# Altium PCB LimeSDR-QPCIe_1v2.PcbDoc (part 11 of 21) (continued)
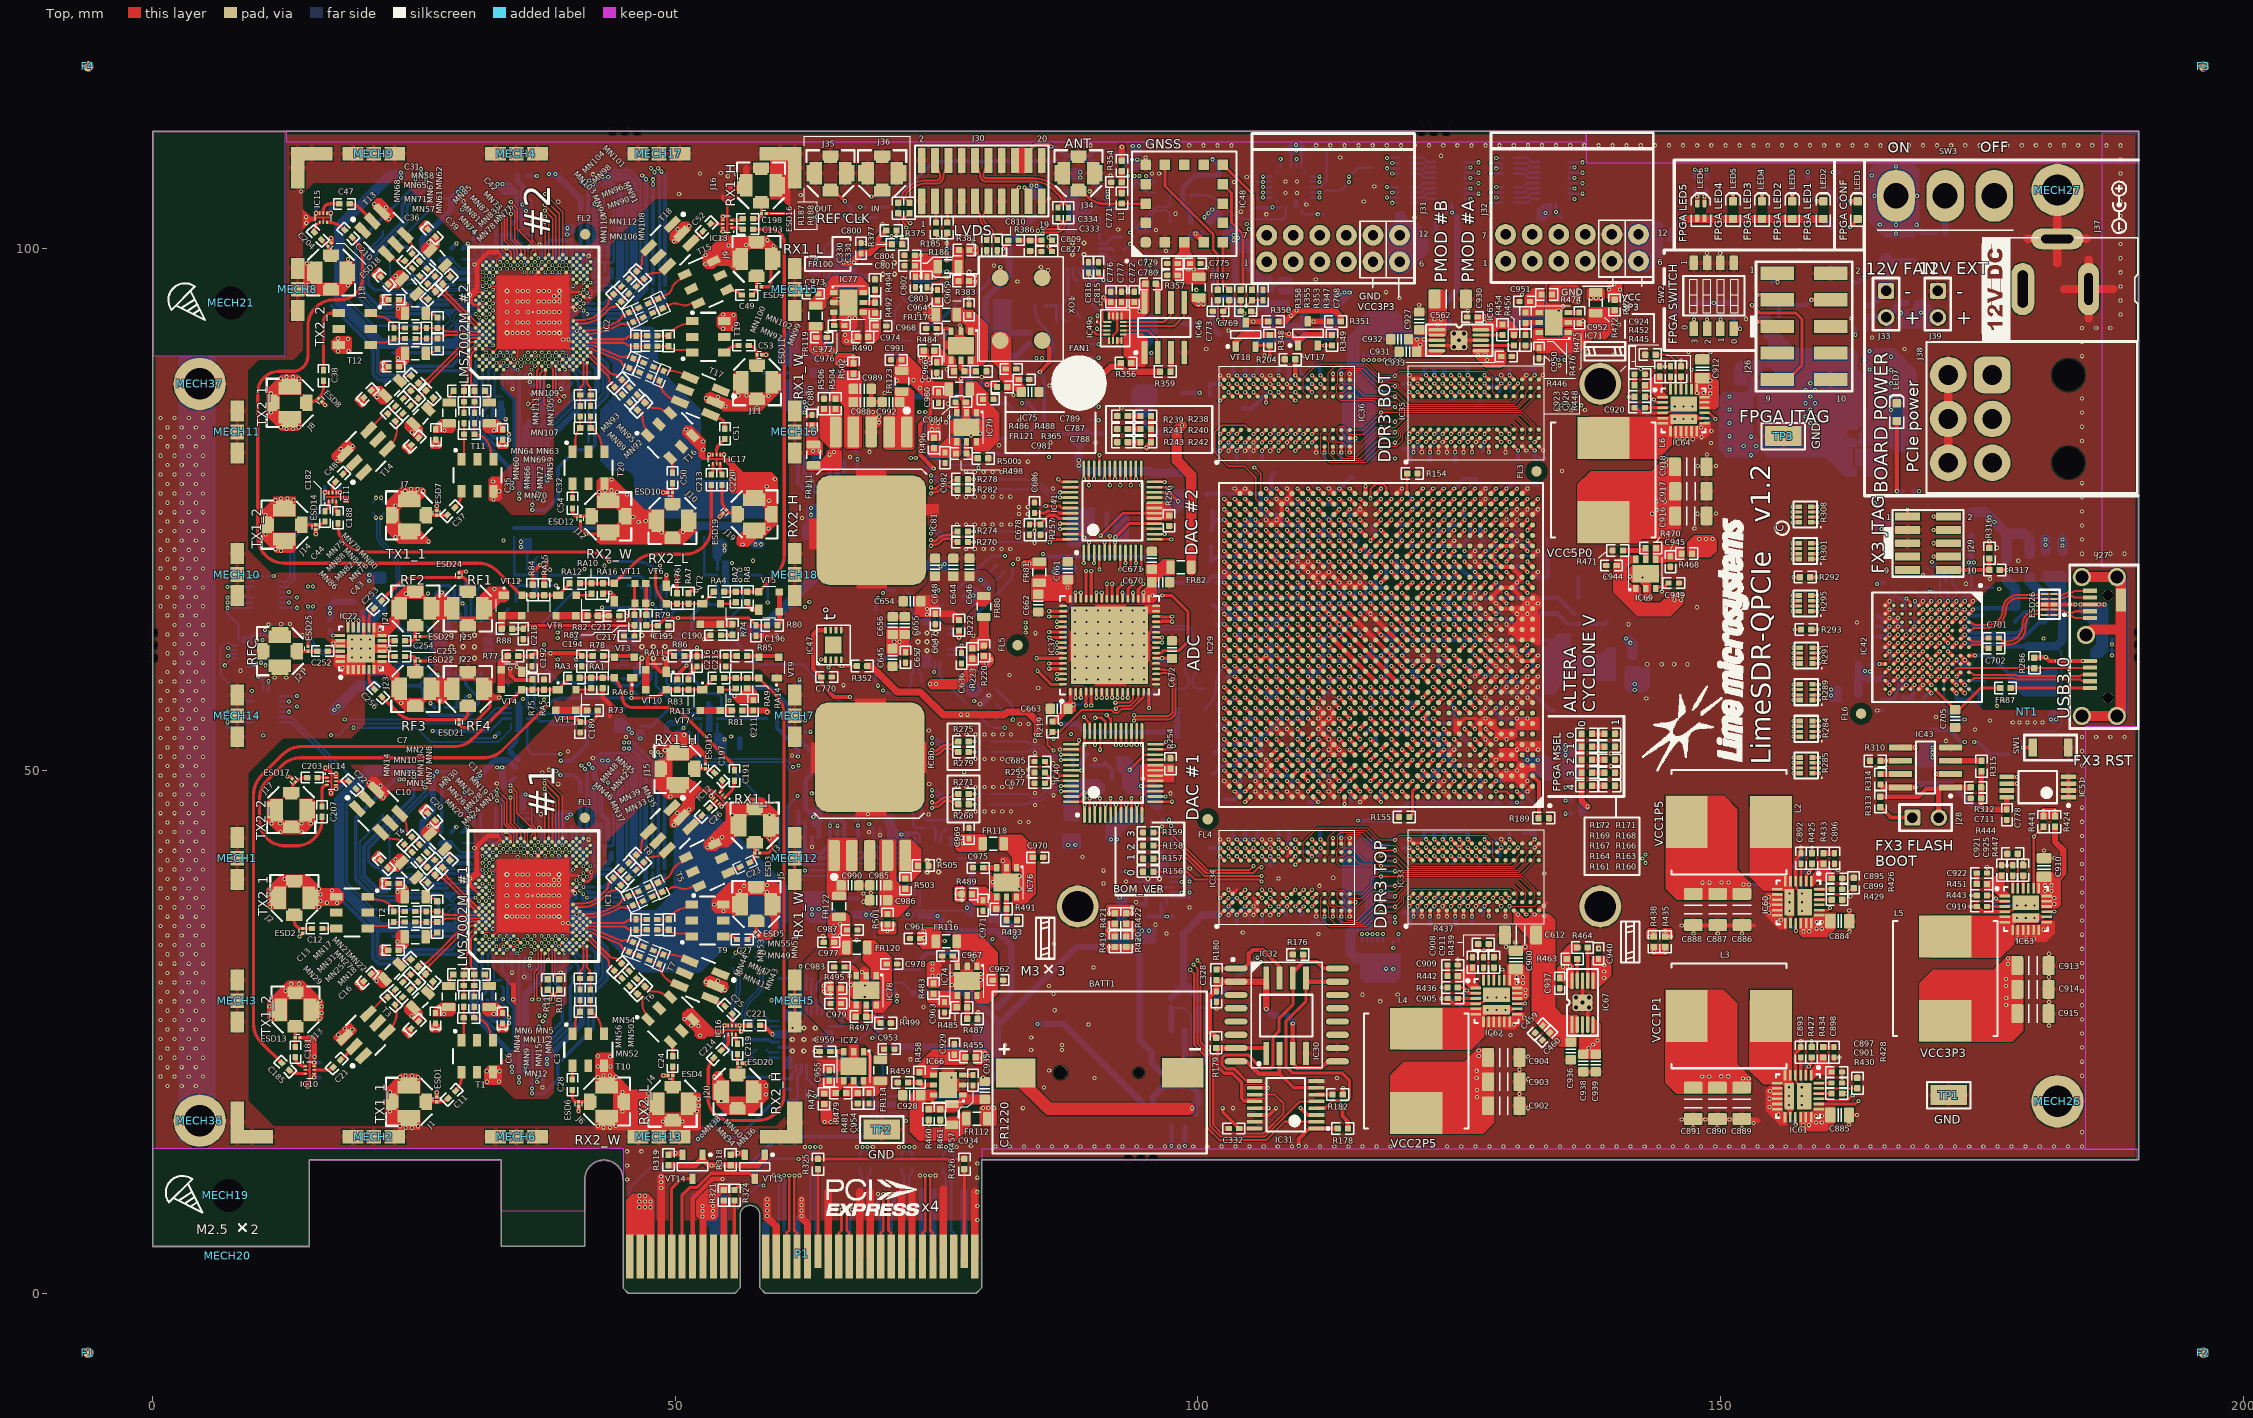
[diagram p0: Top view]
## Nets (pads, with @x,y where several pads share a name; then routed paths per layer and width w, separated by ;. In a path a pad name is that pad's centre, name@x,y a point inside that pad or via, vN(x,y) a via of type N, cw(c..) or ccw(c..) an arc to the next point about the centre after c; other vN are vias at no path point) (continued)
  Top w0.309: v1(102.125,43.4) IC34.A9@102.525,43 ; v1(102.125,87.8) IC36.A9@102.525,87.4 ; v1(102.925,36.2) IC34.B1@103.325,36.6 ; v1(102.925,38.6) IC34.B3@103.325,38.2 103.725,38.6 ; v1(102.925,43.4) IC34.B9@103.325,43 ; v1(102.925,80.6) IC36.B1@103.325,81 ; v1(102.925,82.2) IC36.B3@103.325,82.6 ; v1(102.925,87.8) IC36.B9@103.325,87.4 ; v1(104.525,36.2) IC34.D1@104.925,36.6 ; v1(104.525,42.6) IC34.D8@104.925,42.2 v1(105.325,42.6) IC34.E8@105.725,42.2 ; v1(104.525,80.6) IC36.D1@104.925,81 ; v1(104.525,87) IC36.D8@104.925,86.6 ; v1(105.325,36.2) IC34.E1@105.725,36.6 v1(105.325,37) IC34.E2@105.725,37.4 105.325,37.8 ; v1(105.325,80.6) IC36.E1@105.725,81 ; v1(105.325,81.4) IC36.E2@105.725,81.8 ; v1(105.325,87) IC36.E8@105.725,86.6 ; v1(106.125,43.4) IC34.F9@106.525,43 ; v1(106.125,87.8) IC36.F9@106.525,87.4 ; v1(106.925,36.2) IC34.G1@107.325,36.6 ; v1(106.925,42.6) IC34.G8@107.325,42.2 ; v1(106.925,43.4) IC34.G9@107.325,43 ; v1(106.925,80.6) IC36.G1@107.325,81 ; v1(106.925,87) IC36.G8@107.325,86.6 ; v1(106.925,87.8) IC36.G9@107.325,87.4 ; v1(108.525,37) IC34.J2@108.925,37.4 ; 108.525,41.8 IC34.J8@108.925,42.2 v1(108.525,42.6) ; v1(108.525,81.4) IC36.J2@108.925,81.8 ; v1(108.525,87) IC36.J8@108.925,86.6 ; v1(110.925,43.4) IC34.M9@111.325,43 ; v1(110.925,87.8) IC36.M9@111.325,87.4 ; v1(111.325,36.034) IC34.M1@111.325,36.6 ; v1(111.325,80.434) IC36.M1@111.325,81 ; v1(112.925,36.034) IC34.P1@112.925,36.6 ; IC34.P9@112.925,43 v1(112.925,43.566) ; v1(112.925,80.434) IC36.P1@112.925,81 ; IC36.P9@112.925,87.4 v1(112.925,87.966) ; v1(114.525,36.034) IC34.T1@114.525,36.6 ; IC34.T9@114.525,43 v1(114.525,43.566) ; v1(114.525,80.434) IC36.T1@114.525,81 ; IC36.T9@114.525,87.4 v1(114.525,87.966) ; v1(120.225,43.425) IC33.A9@120.625,43.025 120.625,43.079 121.371,43.079 IC33.B9@121.425,43.025 ; v1(120.225,87.825) IC35.A9@120.625,87.425 ; v1(121.025,37.825) IC33.B3@121.425,38.225 ; v1(121.025,82.225) IC35.B3@121.425,82.625 ; v1(121.425,36.059) IC33.B1@121.425,36.625 ; v1(121.425,80.459) IC35.B1@121.425,81.025 ; v1(122.625,42.625) IC33.D8@123.025,42.225 v1(123.425,42.625) IC33.E8@123.825,42.225 ; v1(122.625,87.025) IC35.D8@123.025,86.625 ; v1(123.025,36.059) IC33.D1@123.025,36.625 ; v1(123.025,80.459) IC35.D1@123.025,81.025 ; v1(123.425,37.025) IC33.E2@123.825,37.425 ; v1(123.425,81.425) IC35.E2@123.825,81.825 ; v1(123.425,87.025) IC35.E8@123.825,86.625 ; v1(123.825,36.059) IC33.E1@123.825,36.625 ; v1(123.825,80.459) IC35.E1@123.825,81.025 ; C905.2@123.875,28.2 123.994,28.2 124.499,27.695 IC62.4@126.95,27.695 ; v1(124.225,43.425) IC33.F9@124.625,43.025 v1(125.025,42.625) ; v1(124.225,87.825) IC35.F9@124.625,87.425 ; v1(125.025,43.425) IC33.G9@125.425,43.025 v1(125.025,42.625) ; v1(125.025,87.025) IC35.G8@125.425,86.625 ; v1(125.025,87.825) IC35.G9@125.425,87.425 ; v1(125.425,36.059) IC33.G1@125.425,36.625 ; IC33.G8@125.425,42.225 v1(125.025,42.625) ; v1(125.425,80.459) IC35.G1@125.425,81.025 ; v1(126.625,37.025) IC33.J2@127.025,37.425 ; v1(126.625,42.625) IC33.J8@127.025,42.225 ; v1(126.625,81.425) IC35.J2@127.025,81.825 ; v1(126.625,87.025) IC35.J8@127.025,86.625 ; v1(129.025,43.425) IC33.M9@129.425,43.025 ; v1(129.025,87.825) IC35.M9@129.425,87.425 ; v1(129.425,36.059) IC33.M1@129.425,36.625 ; v1(129.425,80.459) IC35.M1@129.425,81.025 ; IC33.P1@131.025,36.625 v1(131.425,36.225) ; IC35.P1@131.025,81.025 v1(131.425,80.625) ; IC35.P9@131.025,87.425 v1(131.425,87.825) ; v1(132.225,42.625) IC33.T9@132.625,43.025 ; IC33.T1@132.625,36.625 133.362,37.363 ; IC35.T1@132.625,81.025 v1(133.025,80.625) ; IC35.T9@132.625,87.425 v1(133.025,87.825) ; C920.2@141.775,84.725 141.894,84.725 142.399,84.221 IC64.4@144.85,84.22 ; IC61.4@157.171,20.475 157.171,22.926 157.675,23.431 C893.2@157.675,23.55 ; IC60.4@157.195,39.025 157.195,41.476 157.7,41.981 C892.2@157.7,42.1 v1(157.7,42.65) ; C919.2@174.513,37 174.632,37 175.136,36.495 IC63.4@177.588,36.495 ; v1(181.425,25.6) v1(181.425,27.875) ; v1(181.425,32.475) v1(181.425,27.875) ; v1@181.45,27.85 v1(181.425,27.875)
  Top w0.35: v1(17.692,79.618) T14.3@18.405,80.325 ; v1(17.997,80.754) 18.404,80.347 v1(19.117,81.054) ; T3.3@18.377,24.51 v1(19.09,25.217) ; v1(20.668,48.857) T4.3@21.375,48.144 ; v1(21.194,104.194) T13.3@21.901,103.481 ; T4.3@21.38,48.139 T4.3@21.386,48.145 ; v1(21.793,48.552) T4.3@21.386,48.145 ; T13.3@21.907,103.476 T13.3@21.912,103.482 ; v1(22.093,47.432) T4.3@21.386,48.145 ; v1(22.319,103.889) T13.3@21.912,103.482 ; v1(22.619,102.769) T13.3@21.912,103.482 ; 30.462,95.204 30.575,95.317 31.058,95.8 ; 30.699,38.73 30.312,39.117 30.312,39.716 30.912,40.316 31.005,40.316 ; 30.725,94.567 30.338,94.954 30.338,95.553 30.938,96.153 31.032,96.153 ; IC1.C23@31.536,39.831 IC1.C23@31.551,39.846 ; IC2.C23@31.563,95.668 IC2.C23@31.578,95.683 ; 39.226,35.184 38.372,36.038 38.227,36.183 36.365,38.045 36.834,38.514 38.283,39.963 39.543,41.223 ; 39.253,91.021 38.399,91.875 38.254,92.02 36.392,93.882 36.861,94.351 38.31,95.8 39.57,97.06 ; v1(50.19,45.958) T8.2@50.406,45.742 ; v1(50.216,101.796) T18.2@50.432,101.58 ; T7.2@53.836,29.395 v1(54.07,29.893) ; T17.2@53.862,85.232 v1(54.097,85.73) ; T7.2@54.272,29.227 v1(54.77,28.993) ; T17.2@54.299,85.065 v1(54.797,84.83)
  Top w0.4: J18.2@18.675,97.725 v1(18.675,98.925) ; RA15.1@37.455,67.788 37.455,69.362 37.675,69.582 v1(37.675,70.1) ; RA6.1@43.057,57.875 43.057,57.043 43.75,56.35 43.75,55.175 ; RA16.1@43.075,66.925 43.2,67.05 v1(43.8,67.05) 44.175,66.675 VT11.1@44.175,66.2 ; v1(45.825,57.45) VT3.1@45.825,58.818 ; v4(47.9,60.75) 47.9,60.2 48.65,59.45 VT10.1@49.137,59.45 49.137,60.613 v4(49,60.75) ; VT6.1@49.143,67.7 49.143,68.693 v1(49.15,68.7) ; v1(49.858,44.806) T8.2@50.423,45.371 ; v1(49.884,100.643) T18.2@50.45,101.208 ; T8.2@50.742,45.702 v1(51.308,46.268) ; T18.2@50.769,101.539 v1(51.334,102.105) ; RA7.1@51.268,66.975 51.518,67.225 v1(52.025,67.225) ; RA13.1@51.275,58.725 51.275,59.15 C216.2@52.075,59.95 ; v1(52.775,62.575) 53.15,62.95 C190.2@53.38,62.95 ; v1(52.92,29.793) 52.995,29.718 53.513,29.718 T7.2@53.836,29.395 ; v1(52.947,85.63) 53.022,85.555 53.54,85.555 T17.2@53.862,85.232 ; v1(55.675,57.125) 56.145,57.125 RA14.1@56.882,57.863 57.45,57.295 C211.2@57.45,56.75 ; RA8.1@56.887,66.113 56.887,65.863 v1(57.362,65.388) VT5.1@57.988,65.388 ; C196.2@57.725,62.9 v1(59.7,62.9) ; C221.1@58.1,25.625 58.45,25.625 v1(59.3,24.775) ; C990.1@67.564,39.01 C985.1@68.614,39.01 ; C989.1@68.745,86.525 68.745,85.274 68.754,85.265 C992.1@69.786,85.265 ; C656.1@70.8,64.725 C655.1@71.95,64.725 ; v1(77.325,87.5) 77.325,85.67 77.875,85.12 IC79.2@77.875,84.25 ; IC48.5@95,107.95 v1(95,108.65) ; v1(102.525,49) IC29.B30@103.025,48.5 ; v1(102.525,69) IC29.AB30@103.025,68.5 ; v1(103.525,52) IC29.E29@104.025,51.5 ; v1(103.525,62) IC29.R29@104.025,61.5 ; v1(103.525,72) IC29.AE29@104.025,71.5 ; v1(103.525,77) IC29.AK29@104.025,76.5 v1(104.525,77) IC29.AK28@105.025,76.5 ; v1(104.525,55) IC29.H28@105.025,54.5 ; v1(104.525,65) IC29.V28@105.025,64.5 ; v1(104.525,75) IC29.AH28@105.025,74.5 ; v1(105.525,48) IC29.A27@106.025,47.5 ; v1(105.525,49) IC29.B27@106.025,48.5 ; v1(105.525,58) IC29.L27@106.025,57.5 ; v1(105.525,61) IC29.P27@106.025,60.5 v1(106.525,61) IC29.P26@107.025,60.5 ; v1(105.525,68) IC29.AA27@106.025,67.5 ; v1(106.525,48) IC29.A26@107.025,47.5 ; v1(106.525,51) IC29.D26@107.025,50.5 v1(106.525,50) IC29.C26@107.025,49.5 ; v1(106.525,59) IC29.M26@107.025,58.5 ; v1(106.525,71) IC29.AD26@107.025,70.5 IC29.AC25@108.025,69.5 ; v1(106.525,74) IC29.AG26@107.025,73.5 ; IC29.AG26@107.05,73.475 v1@107.55,73.975 ; v1(107.525,54) IC29.G25@108.025,53.5 ; v1(107.525,64) IC29.U25@108.025,63.5 ; v1(107.525,76) IC29.AJ25@108.025,75.5 ; IC29.AG25@108.025,73.5 v1(107.525,74) IC29.AH25@108.025,74.5 IC29.AJ25@108.025,75.5 ; v1(108.525,48) IC29.A24@109.025,47.5 ; v1(108.525,54) IC29.G24@109.025,53.5 ; v1(108.525,57) IC29.K24@109.025,56.5 ; v1(108.525,67) IC29.Y24@109.025,66.5 ; v1(108.525,77) IC29.AK24@109.025,76.5 v1(108.525,76) ; IC29.AJ24@109.025,75.5 v1(108.525,76) ; v1(109.525,48) IC29.A23@110.025,47.5 ; v1(109.525,52) IC29.E23@110.025,51.5 ; v1(109.525,60) IC29.N23@110.025,59.5 ; v1(109.525,65) IC29.V23@110.025,64.5 ; v1(109.525,70) IC29.AC23@110.025,69.5 ; v1(109.525,73) IC29.AF23@110.025,72.5 ; v1(110.525,49) IC29.C23@110.025,49.5 v1(110.525,50) IC29.C22@111.025,49.5 ; v1(110.525,52) IC29.F22@111.025,52.5 ; v1(110.525,63) IC29.T22@111.025,62.5 ; v1(110.525,73) IC29.AF22@111.025,72.5 ; v1(110.525,76) IC29.AJ22@111.025,75.5 ; IC29.AC22@111.025,69.5 v1(110.525,70) IC29.AC23@110.025,69.5 ; v1(111.525,56) IC29.J21@112.025,55.5 v1(111.525,55) IC29.H21@112.025,54.5 ; v1(111.525,66) v1(112.525,65) ; v1(111.525,76) IC29.AJ21@112.025,75.5 ; IC29.AA21@112.025,67.5 v1(111.525,68) IC29.AB22@111.025,68.5 ; v1(112.525,48) IC29.A20@113.025,47.5 ; v1(112.525,49) IC29.B20@113.025,48.5 ; v1(112.525,56) IC29.J20@113.025,55.5 v1(112.525,55) ; v1(112.525,59) IC29.M20@113.025,58.5 ; v1(112.525,63) IC29.M16@117.025,58.5 ; v1(112.525,77) IC29.AK20@113.025,76.5 ; IC29.E20@113.025,51.5 v1(112.525,52) IC29.F20@113.025,52.5 ; IC29.H20@113.025,54.5 v1(112.525,55) ; IC29.V20@113.025,64.5 v1(112.525,65) ; v1(113.525,58) IC29.L19@114.025,57.5 ; v1(113.525,60) IC29.N19@114.025,59.5 ; v1(113.525,72) IC29.AE19@114.025,71.5 ; v1@113.575,65.95 116.575,62.95 ; IC29.E19@114.025,51.5 IC29.F20@113.025,52.5 ; v1(114.525,54) IC29.H18@115.025,54.5 ; v1(114.525,59) IC29.M18@115.025,58.5 ; 114.525,61 IC29.P18@115.025,60.5 ; IC29.AH18@115.025,74.5 v1(115.525,75) ; v1(115.525,47) IC29.A17@116.025,47.5 ; v1(115.525,58) IC29.L17@116.025,57.5 ; 115.525,75.222 v1(115.525,75) ; IC29.W17@116.025,65.5 v1(115.525,66) v1(119.525,62) IC29.R13@120.025,61.5 IC29.T14@119.025,62.5 IC29.U15@118.025,63.5 v1(116.525,65) ; IC29.AA17@116.025,67.5 v1(115.525,68) IC29.AA18@115.025,67.5 v1(114.525,68) IC29.AA19@114.025,67.5 v1(113.525,68) IC29.AB20@113.025,68.5 v1(112.525,69) IC29.AB21@112.025,68.5 v1(111.525,69) IC29.AB22@111.025,68.5 ; IC29.AH17@116.025,74.5 v1(115.525,75) ; 116.525,63 IC29.T16@117.025,62.5 IC29.R15@118.025,61.5 v1(118.525,61) IC29.P14@119.025,60.5 IC29.N13@120.025,59.5 ; IC29.D16@117.025,50.5 v1(117.525,51) ; IC29.AD16@117.025,70.5 v1(117.525,71) ; v1(117.525,48) IC29.A15@118.025,47.5 ; v1(117.525,54) IC29.G15@118.025,53.5 ; v1(117.525,66) IC29.W15@118.025,65.5 IC29.T12@121.025,62.5 v1(120.525,63) ; IC29.AG15@118.025,73.5 v1(118.525,74) ; v1(118.525,57) IC29.K14@119.025,56.5 ; v1(118.525,65) IC29.V14@119.025,64.5 ; v1(118.525,67) IC29.Y14@119.025,66.5 ; IC29.M14@119.025,58.5 IC29.T18@115.025,62.5 IC29.U19@114.025,63.5 ; IC29.AK14@119.025,76.5 v1(119.525,77) ; v1(119.525,50) IC29.C13@120.025,49.5 ; v1(119.525,64) IC29.U13@120.025,63.5 ; v1(119.525,66) IC29.W13@120.025,65.5 ; v1(119.525,70) IC29.AC13@120.025,69.5 ; v1(120.525,53) IC29.F12@121.025,52.5 ; IC35.A9@120.625,87.425 120.725,87.525 IC35.B9@121.332,87.525 ; IC29.AF12@121.025,72.5 v1(121.525,73) ; v1(121.525,61) IC29.P11@122.025,60.5 ; v1(121.525,66) IC29.W11@122.025,65.5 ; IC29.H11@122.025,54.5 v1(121.525,55) IC29.J11@122.025,55.5 ; IC29.AJ11@122.025,75.5 v1(122.525,76) ; v1(122.525,59) IC29.M10@123.025,58.5 ; v1(122.525,69) IC29.AB10@123.025,68.5 ; IC29.B10@123.025,48.5 v1(123.525,49) ; v1(123.525,48) IC29.A9@124.025,47.5 ; v1(123.525,62) IC29.R9@124.025,61.5 ; IC29.E9@124.025,51.5 v1(124.525,52) ; IC29.K9@124.025,56.5 v1(124.525,57) ; IC29.AE9@124.025,71.5 v1(124.525,72) ; IC29.AJ9@124.025,75.5 v1(124.525,76) ; v1(124.525,60) IC29.N8@125.025,59.5 ; v1(124.525,65) IC29.V8@125.025,64.5 ; IC29.AH8@125.025,74.5 v1(125.525,75) ; IC29.Y7@126.025,66.5 v1(126.525,67) ; IC29.AD7@126.025,70.5 v1(126.525,71) ; v1(126.525,50) IC29.C6@127.025,49.5 ; v1(126.525,59) IC29.N6@127.025,59.5 ; v1(126.525,64) IC29.U6@127.025,63.5 ; v1(126.525,66) IC29.W6@127.025,65.5 ; v1(126.525,70) IC29.AC6@127.025,69.5 ; IC29.H6@127.025,54.5 IC29.G6@127.025,53.5 IC29.F5@128.025,52.5 ; IC29.J6@127.025,55.5 v1(127.525,56) ; IC29.L6@127.025,57.5 v1(127.525,58) ; IC29.R6@127.025,61.5 v1(127.525,61) IC29.P5@128.025,60.5 v1(128.525,60) IC29.N4@129.025,59.5 ; IC29.AA6@127.025,67.5 v1(127.525,68) ; IC29.AJ6@127.025,75.5 v1(127.525,76) ; IC29.AK6@127.025,76.5 v1(127.525,77) ; v1(127.525,55) IC29.H5@128.025,54.5 ; v1(127.525,57) IC29.K5@128.025,56.5 ; v1(127.525,63) IC29.T5@128.025,62.5 ; v1(127.525,65) IC29.V5@128.025,64.5 ; v1(127.525,69) IC29.AB5@128.025,68.5 ; IC29.D5@128.025,50.5 v1(128.525,51) ; IC29.E5@128.025,51.5 v1(128.525,51) ; IC29.M5@128.025,58.5 v1(128.525,59) ; IC29.AF5@128.025,72.5 v1(128.525,73) ; v1(128.525,50) IC29.C4@129.025,49.5 ; v1(128.525,53) IC29.G4@129.025,53.5 ; v1(128.525,62) IC29.R4@129.025,61.5 ; v1(128.525,64) IC29.U4@129.025,63.5 ; IC29.E4@129.025,51.5 v1(128.525,51) ; IC29.J4@129.025,55.5 v1(129.525,56) ; IC29.L4@129.025,57.5 v1(129.525,58) ; IC29.AG4@129.025,73.5 v1(129.525,74) ; v1(129.525,50) IC29.C3@130.025,49.5 ; v1(129.525,53) IC29.G3@130.025,53.5 ; v1(129.525,60) IC29.N3@130.025,59.5 ; v1(129.525,62) IC29.R3@130.025,61.5 v1(130.525,61) IC29.P2@131.025,60.5 IC29.P1@132.025,60.5 v1(132.525,61) ; v1(129.525,64) IC29.U3@130.025,63.5 ; IC29.E3@130.025,51.5 v1(130.525,52) IC29.F2@131.025,52.5 v1(131.525,52) ; IC29.J3@130.025,55.5 v1(130.525,56) ; IC29.L3@130.025,57.5 v1(130.525,58) ; IC29.W3@130.025,65.5 IC29.W4@129.025,65.5 v1(128.525,66) IC29.Y5@128.025,66.5 IC29.AA4@129.025,67.5 IC29.AA3@130.025,67.5 ; IC29.AG3@130.025,73.5 v1(130.525,74) ; IC29.AH3@130.025,74.5 v1(130.525,75) ; v1(130.525,50) IC29.C2@131.025,49.5 ; v1(130.525,55) IC29.H2@131.025,54.5 ; v1(130.525,57) IC29.K2@131.025,56.5 ; v1(130.525,65) IC29.V2@131.025,64.5 ; v1(130.525,72) IC29.AE3@130.025,71.5 IC29.AE4@129.025,71.5 v1(128.525,71) IC29.AD5@128.025,70.5 v1(128.525,70) IC29.AC4@129.025,69.5 IC29.AC3@130.025,69.5 IC29.AB2@131.025,68.5 v1(130.525,68) IC29.AA3@130.025,67.5 ; C902.1@130.775,17.8 C904.1@130.775,22.65 ; IC29.B2@131.025,48.5 v1(131.525,49) ; IC29.L2@131.025,57.5 v1(131.525,58) ; IC29.M2@131.025,58.5 v1(131.525,59) ; IC29.AH2@131.025,74.5 v1(131.525,75) ; IC29.AK2@131.025,76.5 v1(131.525,77) ; v1(131.525,48) IC29.B1@132.025,48.5 ; v1(131.525,55) IC29.H1@132.025,54.5 ; v1(131.525,57) IC29.K1@132.025,56.5 ; v1(131.525,65) IC29.V1@132.025,64.5 ; v1(131.525,66) IC29.Y2@131.025,66.5 IC29.AA3@130.025,67.5 ; IC29.F1@132.025,52.5 v1(132.525,52) ; IC29.L1@132.025,57.5 v1(132.525,58) ; IC29.M1@132.025,58.5 v1(132.525,59) ; IC29.Y1@132.025,66.5 v1(132.525,66) ; IC29.AB1@132.025,68.5 v1(132.525,69) ; IC29.AD1@132.025,70.5 v1(132.525,71) ; IC29.AH1@132.025,74.5 v1(132.525,75) ; C938.1@136.875,21.175 C939.1@138.075,21.175 ; v1(146.3,16.625) v1(148.55,16.625) v1(150.875,16.625) 153.475,16.625 153.625,16.475 ; v1(146.3,35.175) C888.1@147.425,35.175 ; C888.1@147.41,35.211 147.425,35.196 C888.1@147.425,35.175 ; v1(147.425,34.425) C888.1@147.425,35.175 ; v1@149.73,34.461 C887.1@149.73,35.211 ; v1@152.05,34.461 C886.1@152.05,35.211 ; 153.2,35.175 C888.1@147.425,35.175 ; R430.2@161.625,19.1 v1(162.05,19.1) ; v1(162.3,16.125) C885.1@162.3,17.05 v1(163.075,17.05) ; v1(162.325,36.6) 162.35,36.575 v1(162.35,34.625) ; IC42.L6@165.775,61.8 v1(166.175,62.2) ; IC42.L3@165.775,64.2 v1(166.175,64.6) ; IC42.L2@165.775,65 v1(166.175,65.4) ; IC42.L1@165.775,65.8 v1(166.175,66.2) ; IC42.K4@166.575,63.4 v1(166.975,63.8) ; IC42.K3@166.575,64.2 v1(166.975,64.6) ; IC42.G11@168.975,57.8 v1(169.375,58.2) ; IC42.G1@168.975,65.8 v1(169.375,66.2) ; IC42.E2@170.575,65 v1(170.975,65.4) ; IC42.D8@171.375,60.2 v1(171.775,60.6) ; v1(172.575,59) IC42.B9@172.975,59.4 ; IC42.B8@172.975,60.2 v1(173.375,60.6) ; IC42.B7@172.975,61 v1(173.375,60.6) ; IC42.A8@173.775,60.2 v1(173.375,60.6) ; IC42.A1@173.775,65.8 v1(174.175,66.2) ; v1(178.95,41.45) 178.95,40.962 R447.2@178.963,40.95 ; R286.1@179.95,60.85 v1(181.125,60.85) 181.475,60.5 J27.5@185.888,60.5 ; IC51.1@183.3,47.45 IC51.2@183.3,48.1 IC51.3@183.3,48.75 IC51.4@183.3,49.4 ; IC29.AJ25@108.025,75.5 v1(108.525,76) ; IC29.AC23@110.025,69.5 v1(110.525,69) IC29.AB22@111.025,68.5 ; IC29.H21@112.025,54.5 v1(111.525,54) IC29.G21@112.025,53.5 IC29.F20@113.025,52.5 ; IC29.H21@112.025,54.5 v1(112.525,55) ; v1(112.525,65) v1(113.525,64) ; v1(113.525,64) IC29.U19@114.025,63.5 ; v1(113.525,64) IC29.U19@114.025,63.5
  Top w0.43: P1.B7@51.65,3.5 51.65,9.036 53.539,10.925 v1(54.525,10.925)
  Top w0.45: 31.005,40.316 31.005,42.591 31.005,42.715 32.055,43.765 32.96,43.765 ; 31.032,96.153 31.032,98.428 31.032,98.552 32.082,99.602 32.987,99.602
  Top w0.6: 55.187,105.738 J16.2@56.505,105.738 ; J16.2@56.8,106.325 56.8,107.644
  Top w0.7: P1.B4@48.65,3.5 v1@48.65,11.125 ; v1(58.8,8.95) 58.8,7.225 59.65,6.375 P1.B13@59.65,3.5 ; v1(62.075,8.95) v1(62.075,8.425) v1(62.075,7.9) v1(62.075,7.375) 62.075,7.225 62.65,6.65 P1.B16@62.65,3.5 ; P1.B18@64.65,3.5 64.65,9.725 ; P1.B21@67.65,3.5 67.65,9.725 ; P1.B22@68.65,3.5 68.65,9.725 ; P1.B25@71.65,3.5 71.65,9.725 ; P1.B26@72.65,3.5 72.65,9.725 ; P1.B29@75.625,3.75 75.625,9.975 ; P1.B32@78.65,3.5 78.65,9.725
  Top w0.8: J38.6@171.8,79.45 J38.5@171.8,83.65 J38.4@171.8,87.85 ; 179.4,100.875 J37.3@182.225,100.875 ; 182.225,98.525 J37.3@182.225,100.875 ; MECH27.MH1@182.225,103.225 J37.3@182.225,100.875 ; 182.875,96.075 J37.2@185.225,96.075 ; 185.05,100.875 J37.3@182.225,100.875 ; 185.225,93.25 J37.2@185.225,96.075 ; 185.225,98.9 J37.2@185.225,96.075 ; 187.575,96.075 J37.2@185.225,96.075
  L2 w0.7: v1(177.975,54.6) v1(180.8,54.6)
  L12 w0.6: IC67.11@136.175,28.275 IC67.11@137.425,28.275
  Bottom w0.11: C59.2@37.578,42.538 37.548,42.538 37.548,42.98 37.835,43.267 C60.2@37.835,43.315 ; C118.2@37.605,98.375 37.575,98.375 37.575,98.817 37.862,99.104 C122.2@37.862,99.152 ; C113.2@37.97,32.35 C113.2@37.97,32.523 ; C113.2@38.015,32.523 38.208,32.716 ; 38.2,34.65 38.208,34.642
  Bottom w0.13: C67.2@26.181,35.951 26.463,35.668 27.526,35.668 29.698,37.84 C88.2@29.85,37.84 ; C128.2@26.207,91.788 26.49,91.505 27.552,91.505 29.724,93.677 C149.2@29.877,93.677
  Bottom w0.15: C65.2@35.455,44.62 35.35,44.62 34.93,45.04 34.93,45.784 35.112,45.965 36.225,45.965 36.23,45.97 36.243,45.97 36.987,45.226 v1(36.987,44.491) ; C124.2@35.482,100.457 35.311,100.457 34.913,100.855 34.913,101.614 35.101,101.802 36.252,101.802 36.257,101.807 36.27,101.807 37.013,101.063 v1(37.013,100.328) ; 36.062,30.066 C91.2@36.062,30.429
  Bottom w0.17: v1(21.163,41.551) 21.176,41.551 22.6,40.126 26.225,40.126 26.692,39.66 C111.2@28.733,39.66 ; v1(21.19,97.388) 21.202,97.388 22.627,95.963 26.252,95.963 26.718,95.497 C172.2@28.759,95.497
  Bottom w0.2: v3(32.217,40.512) 32.217,40.627 32.935,41.345 C89.2@33.005,41.345 ; v3(32.244,96.349) 32.244,96.464 32.962,97.182 C150.2@33.032,97.182 ; C93.2@33.05,37.235 33.7,37.235 v1(33.885,37.05) ; C155.2@33.077,93.072 33.727,93.072 v1(33.912,92.887) ; 38.46,35.22 C115.2@38.78,35.22 ; 38.487,91.057 C176.2@38.807,91.057 ; 38.78,35.54 C115.2@38.78,35.22 ; 38.807,91.377 C176.2@38.807,91.057 ; 39.1,35.22 C115.2@38.78,35.22 ; 39.127,91.057 C176.2@38.807,91.057
  Bottom w0.25: 18.588,95.117 21.158,92.547 26.145,92.547 26.207,92.484 C128.2@26.207,91.788 ; v1(20.668,48.857) 18.562,46.751 18.562,39.28 21.132,36.71 26.118,36.71 26.181,36.647 C67.2@26.181,35.951 ; 21.993,45.741 21.993,45.374 19.812,43.193 19.812,39.798 21.65,37.96 23.978,37.96 24.284,38.266 27.307,38.266 C68.2@27.432,38.141 ; 22.02,101.578 22.02,101.211 19.838,99.03 19.838,95.635 21.676,93.797 23.639,93.797 23.945,94.103 27.333,94.103 C129.2@27.458,93.978 ; 29.925,68.083 29.925,66.625 C284.2@29.95,66.6 ; 30.45,53.1 32.6,53.1 v1(32.75,53.25) ; C285.2@30.95,66.6 30.95,67.2 31.45,67.7 ; C75.2@31.956,28.097 32.083,28.097 32.083,27.886 32.297,27.672 32.747,27.672 32.941,27.866 33.387,27.866 ; C136.2@32,83.942 32,83.675 32.2,83.475 32.782,83.475 32.957,83.65 33.75,83.65 v1(33.775,83.625) ; C74.2@33.38,29.385 33.562,29.204 33.562,28.041 33.387,27.866 ; C4.1@33.9,27 33.9,27.353 33.387,27.866 ; IC25.5@36.582,69.493 36.582,70.182 C293.2@36.832,70.432 ; 42.161,50.94 44.087,49.014 44.087,42.901 C99.2@43.955,42.77 ; 42.187,106.777 44.113,104.851 44.113,98.738 C160.2@43.982,98.607 ; 48.125,68.083 48.125,66.625 C308.2@48.15,66.6 ; C309.2@49.15,66.6 49.15,67.2 R150.2@49.65,67.7 ; 62.525,30.508 62.525,29.05 C239.2@62.55,29.025 ; C240.2@63.55,29.025 63.55,29.625 R107.2@64.05,30.125 ; IC55.16@93.85,39.35 95.525,39.35 IC55.25@95.775,39.1 ; IC55.19@94.525,41.025 94.554,40.996 94.554,40.321 v4(95.225,39.65) ; IC55.22@96.025,41.025 96.025,39.35 IC55.25@95.775,39.1 ; IC55.25@96.239,38.464 97.025,37.677 IC55.7@97.025,37.175 ; v4(96.325,39.65) 96.95,40.275 97.7,40.275 IC55.1@97.7,40.35 ; IC55.4@97.7,38.85 96.025,38.85 IC55.25@95.775,39.1
  Bottom w0.254: C96.2@33.03,39.645 33.435,40.05 v4(33.885,40.05) ; C158.2@33.057,95.482 33.462,95.887 v4(33.912,95.887) ; IC52.32@72.175,100.45 v1(72.175,101.15) ; R440.1@126.7,28.3 v4(129.425,28.3) ; R450.1@144.6,84.825 v4(147.325,84.825) ; v4(157.775,18) R432.2@157.775,20.725 ; v4(157.8,36.55) R431.2@157.8,39.275 ; R449.1@177.338,37.1 v4(180.063,37.1)
  Bottom w0.29: 43.705,40.09 43.78,40.165 44.312,40.165 44.317,40.17 44.687,40.17 45.357,40.84 45.357,49.796 v1(45.162,49.991) ; 43.732,95.927 43.807,96.002 44.338,96.002 44.343,96.007 44.714,96.007 45.383,96.677 45.383,105.633 v1(45.188,105.828)
  Bottom w0.3: IC24.27@27.3,61.1 IC24.PAD@28.3,61.1 ; C1.2@27.487,43.991 27.658,44.162 27.658,49.108 v1@27.925,49.375 ; C282.1@27.5,57.125 C280.1@28.5,57.125 ; C287.1@29.95,57.125 29.95,56.175 R131.2@30.1,56.025 ; C108.2@32.073,33.042 31.525,32.494 31.525,31.645 31.498,31.618 31.498,29.099 31.056,28.656 31.056,26.94 32.734,25.261 v1(33.109,25.261) ; C168.2@32.1,88.879 31.552,88.331 31.552,87.482 31.525,87.455 31.525,84.936 31.082,84.493 31.082,82.777 32.761,81.098 v1(33.136,81.098) ; C63.2@32.53,43.595 32.702,43.595 32.922,43.815 ; C126.2@32.557,99.432 32.728,99.432 32.948,99.652 ; 32.825,46.451 C86.2@32.825,45.09 C87.2@32.825,44.315 32.825,43.911 32.922,43.815 ; 32.852,102.288 32.852,100.927 32.852,100.152 32.852,99.749 32.948,99.652 ; v4(33.885,36.05) 33.885,35.615 C114.2@34.13,35.37 ; v4(33.912,91.887) 33.912,91.452 C175.2@34.157,91.207 ; C85.2@34.268,43.39 33.735,43.39 33.6,43.525 33.6,43.644 33.429,43.815 32.922,43.815 ; C85.2@34.268,43.435 C84.2@34.268,44.147 ; C145.2@34.295,99.227 33.762,99.227 33.627,99.362 33.627,99.481 33.456,99.652 32.948,99.652 ; C145.2@34.295,99.272 C146.2@34.295,99.985 ; v1(35.885,40.05) 36.045,39.89 36.33,39.89 36.33,39.46 ; v1(35.912,95.887) 36.072,95.727 36.357,95.727 36.357,95.297 ; v1(36.885,40.05) 36.975,40.14 C82.2@36.975,41.34 ; v1(36.912,95.887) 37.002,95.977 C144.2@37.002,97.177 ; v1(37.287,19.691) 37.337,19.741 37.337,21.397 37.168,21.566 37.168,22.717 40.48,26.029 40.48,29.325 41.285,30.131 41.285,31.505 C104.2@41.105,31.685 ; v1@37.363,75.928 37.363,77.234 37.195,77.403 37.195,81.85 41.312,85.968 41.312,87.342 C165.2@41.132,87.522 ; C60.2@37.835,43.315 38.738,43.315 ; C122.2@37.862,99.152 38.765,99.152 ; v1(37.885,40.05) 38.075,40.24 C80.2@38.075,41.34 ; v1(37.912,95.887) 38.102,96.077 C141.2@38.102,97.177 ; C61.2@38.11,44.09 38.38,44.09 38.738,43.732 38.738,43.315 ; C121.2@38.137,99.927 38.407,99.927 38.765,99.569 38.765,99.152 ; 39.512,95.157 C170.2@40.107,95.157 ; C57.2@39.55,43.99 C56.2@39.55,43.183 v3(39.21,42.843) 38.738,43.315 ; C119.2@39.577,99.827 39.577,99.021 v3(39.237,98.68) 38.765,99.152 ; v1(40.405,38.265) 40.405,37.96 C70.2@40.55,37.815 ; v1(40.432,94.102) 40.432,93.797 C131.2@40.577,93.652 ; 41.674,25.597 41.674,28.829 43.062,30.216 43.062,32.834 42.155,33.74 C103.2@41.985,33.74 ; 41.701,81.434 41.701,84.666 43.088,86.053 43.088,88.671 42.182,89.577 C164.2@42.012,89.577 ; 42.178,50.958 42.365,51.145 42.365,51.239 42.746,51.619 45.577,51.619 46.662,50.535 46.662,40.421 45.137,38.896 45.137,38.87 ; 42.205,106.795 42.392,106.982 42.392,107.076 42.773,107.457 45.604,107.457 46.688,106.372 46.688,96.258 45.163,94.733 45.163,94.707 ; C77.2@42.785,42.665 42.89,42.77 C99.2@43.955,42.77 ; C138.2@42.812,98.502 42.917,98.607 C160.2@43.982,98.607 ; C98.2@43.235,41.89 43.235,42.63 ; C159.2@43.262,97.727 43.262,98.467 ; C102.2@44.655,38.87 45.137,38.87 ; C163.2@44.682,94.707 45.163,94.707 ; C110.2@45.443,38.458 45.137,38.765 45.137,38.87 ; C171.2@45.47,94.295 45.163,94.602 45.163,94.707 ; IC27.27@45.5,61.1 IC27.PAD@46.5,61.1 ; C307.1@48.15,57.125 48.15,56.175 R152.2@48.3,56.025 ; IC19.27@59.9,23.525 IC19.PAD@60.9,23.525 ; C234.1@60.1,19.55 C238.1@61.1,19.55 ; C235.1@62.55,19.55 62.55,18.6 R106.2@62.7,18.45 ; 107.992,75.533 110,75.533 C451.2@110,75.475 v1(110.525,76) ; 112.3,61.482 C440.2@113.075,61.482
  Bottom w0.35: v1@17.062,38.659 20.736,34.984 20.736,34.682 21.061,34.357 21.061,32.078 21.603,31.536 23.819,31.536 24.699,32.416 29.541,32.416 C109.2@29.545,32.42 ; 17.088,94.496 20.763,90.822 20.763,90.519 21.088,90.194 21.088,87.915 21.63,87.373 23.846,87.373 24.726,88.253 C169.2@29.568,88.253 C169.2@29.572,88.257 ; 22.966,34.141 29.22,34.141 30.144,35.065 C94.2@30.3,35.065 ; 22.993,89.978 29.247,89.978 30.171,90.902 C156.2@30.327,90.902 ; 23.479,44.255 24.323,44.255 27.412,41.166 30.349,41.166 C90.2@30.525,40.99 ; 23.506,100.092 24.35,100.092 27.438,97.003 30.376,97.003 C151.2@30.552,96.827 ; C152.2@36.11,86.244 v1@36.357,85.997 ; v3(40.875,39.846) 41.324,39.396 C101.2@41.605,39.396 ; v3@40.902,95.682 41.351,95.233 C162.2@41.632,95.233 ; C76.2@41.575,42.74 41.575,43.51 C69.2@41.907,43.842 ; C137.2@41.602,98.577 41.602,99.347 C130.2@41.934,99.679 ; C100.2@43.035,40.09 43.705,40.09 ; C161.2@43.062,95.927 43.732,95.927 ; C304.1@45,58.8 45.875,58.8 46.325,59.25 ; C398.2@130.05,58.525 130.05,59.225 ; 132.05,59.775 132.05,59.789 132.05,60.475 C347.2@132.075,60.5